# Altium PCB ALCT_MEZ_SPARTAN6T.PcbDoc (part 6 of 12) (continued)
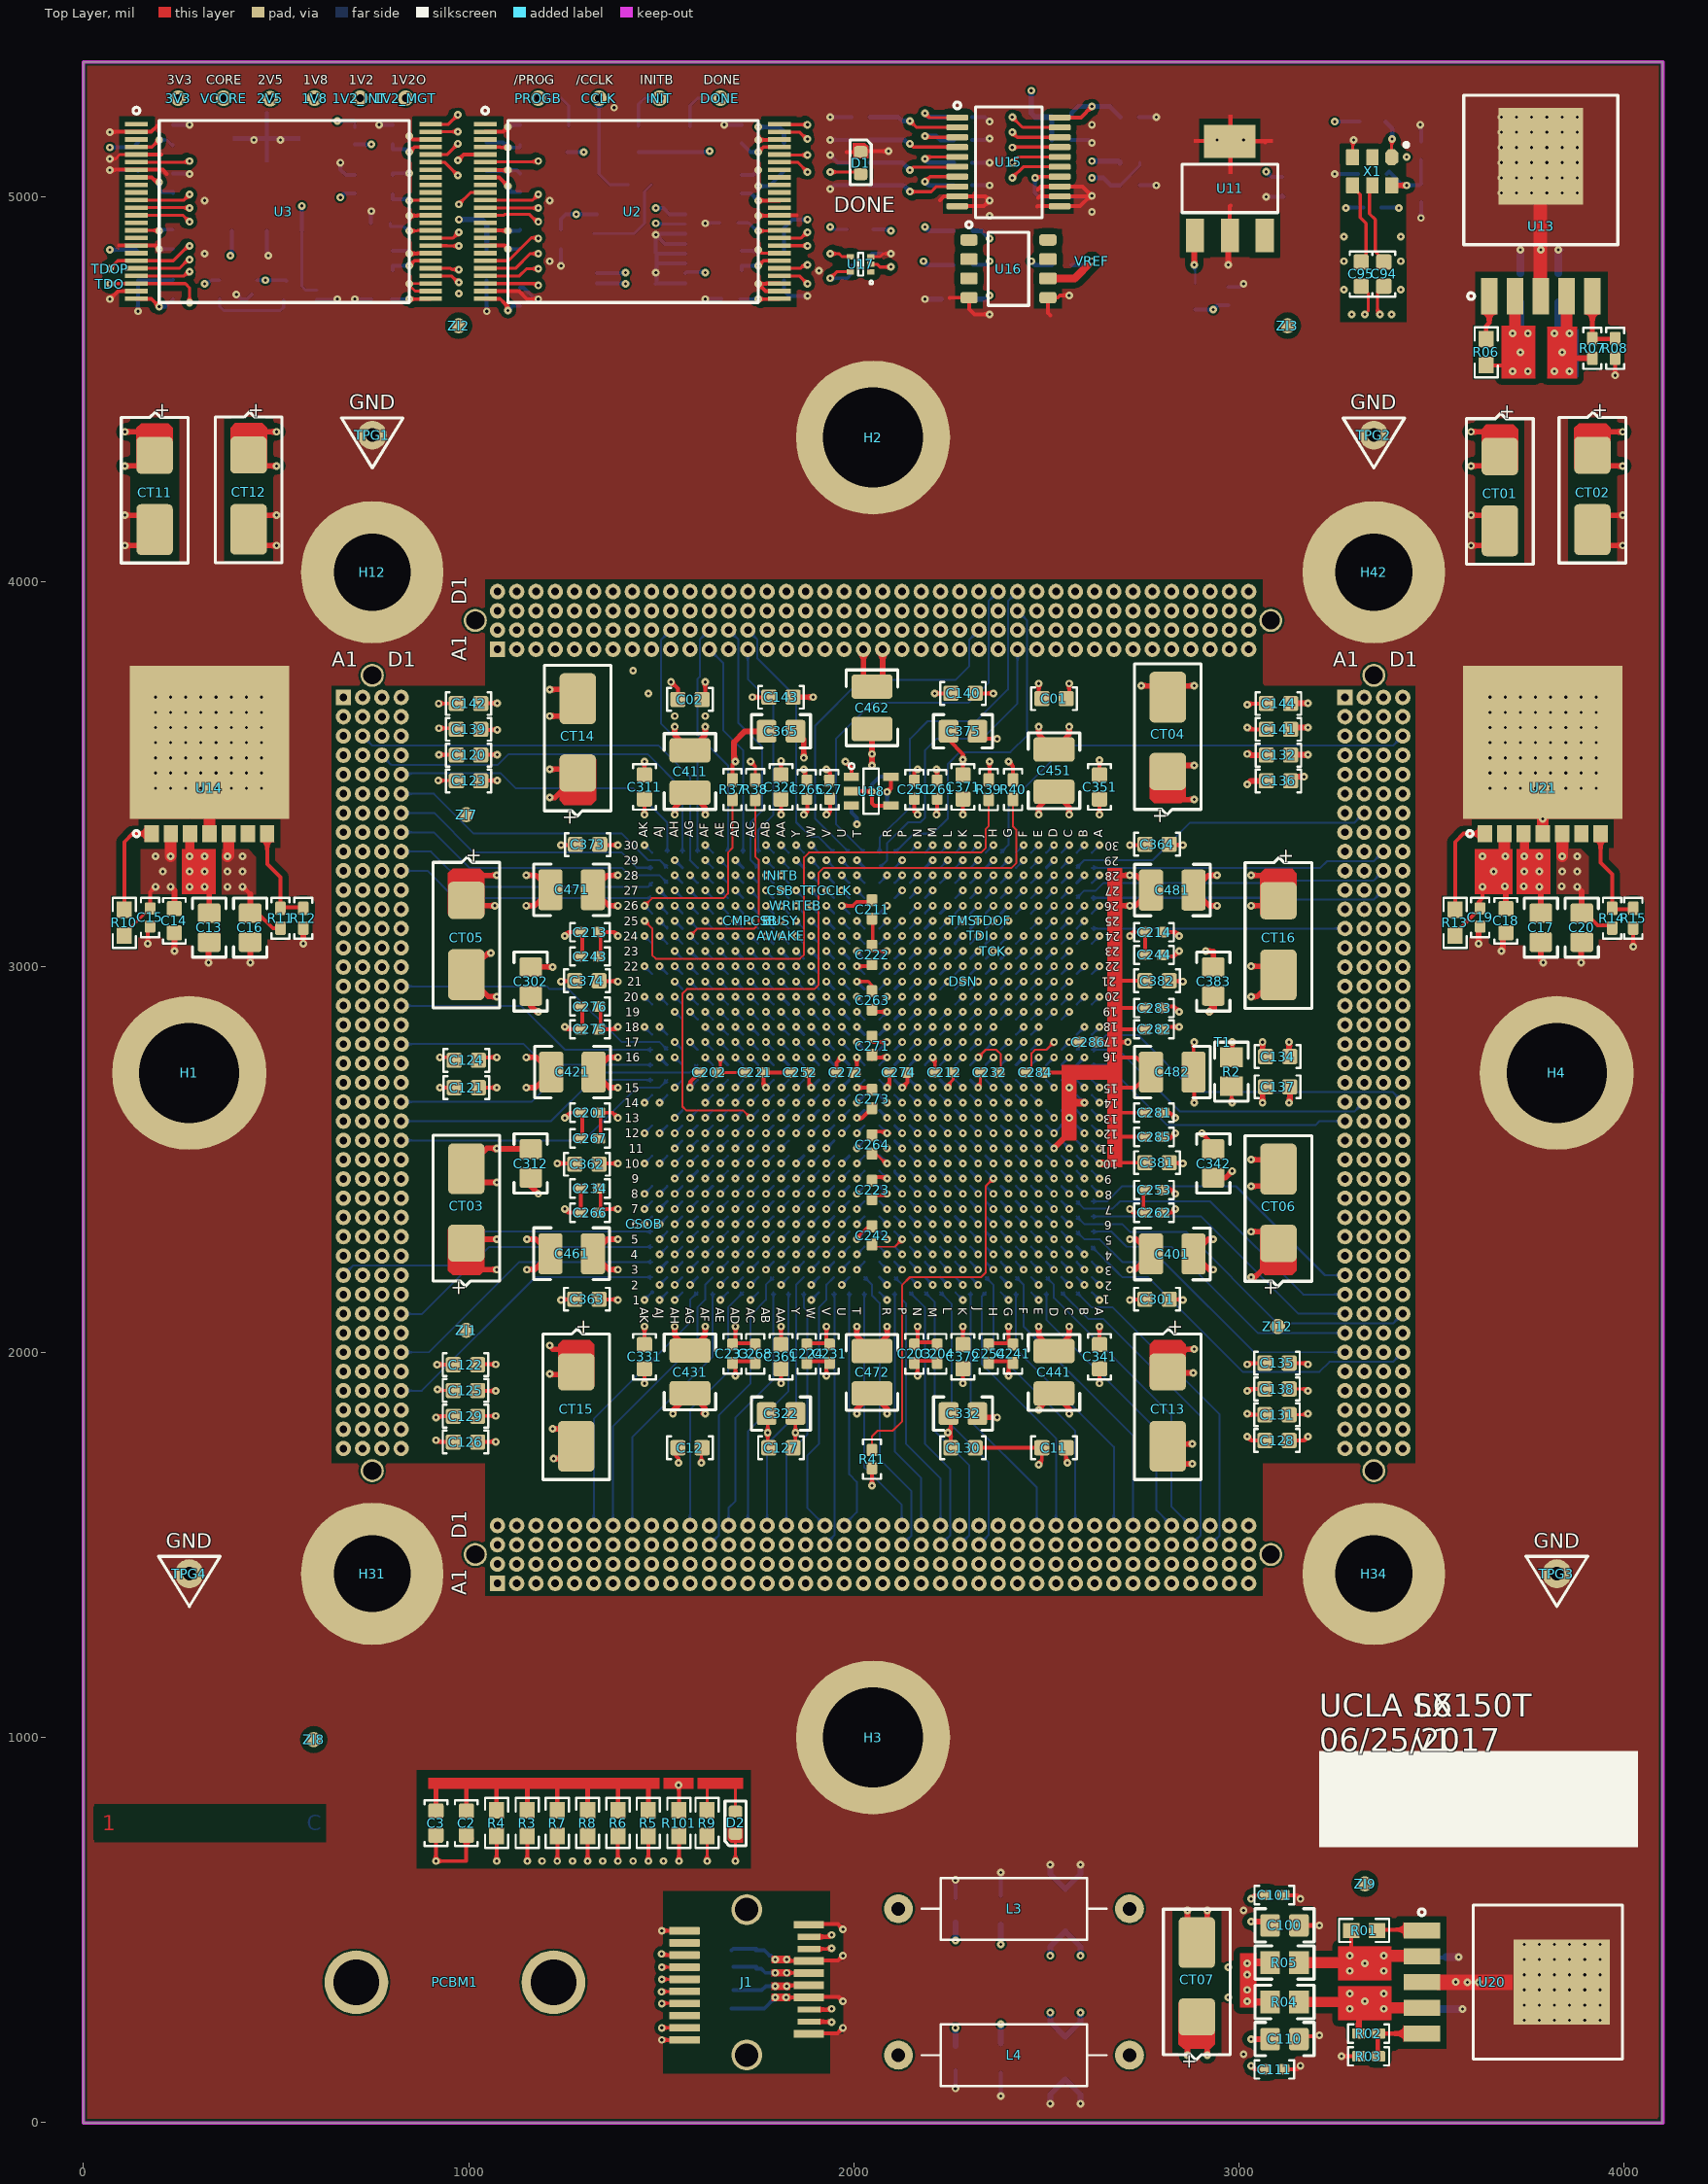
[diagram p0: Top Layer view]
## Nets (pads, with @x,y where several pads share a name; then routed paths per layer and width w, separated by ;. In a path a pad name is that pad's centre, name@x,y a point inside that pad or via, vN(x,y) a via of type N, cw(c..) or ccw(c..) an arc to the next point about the centre after c; other vN are vias at no path point) (continued)
  Bottom Layer w6: v1(1653.56,2372.04) U1.AE7@1673.23,2391.73
XP1C_3: U1.AH24 XP1.C3 | length 1234.2
  Mid-Layer 7 w5: XP1.C3@775,3586.5 cw(c775,3553.91) 798.04,3576.96 ; XP1.C3@775,3591.5 cw(c775,3570.98) 789.51,3585.49 ; XP1.C3@775,3586.5 cw(c775,3553.91) 798.05,3576.95 ; XP1.C3@775,3591.5 cw(c775,3570.98) 789.51,3585.49 ; XP1.C3@775,3595.08 XP1.C3@775,3600 800,3575 826.77,3575 ; XP1.C3@783.5,3600 ccw(c804.02,3600) 789.51,3585.49 ; XP1.C3@783.5,3600 ccw(c804.02,3600) 789.51,3585.49 ; XP1.C3@788.5,3600 ccw(c821.09,3600) 798.04,3576.96 ; XP1.C3@788.5,3600 ccw(c821.09,3600) 798.05,3576.95 ; 826.77,3575.5 857.59,3575.5 954.72,3478.36 954.72,3405.49 1299.02,3061.2 1515.94,3061.2 v1(1535.44,3080.7)
  Bottom Layer w6: v1(1535.44,3080.7) U1.AH24@1555.13,3061.01
XP1C_4: U1.AH30 XP1.C4 | length 1190.5
  Bottom Layer w5: XP1.C4@775,3536.5 cw(c775,3506.75) 796.03,3527.79 ccw(c775,3506.77) XP1.C4@775,3536.5 ; XP1.C4@775,3541.5 cw(c775,3523.82) 787.5,3536.32 ccw(c775,3523.84) XP1.C4@775,3541.5 ; XP1.C4@775,3548.82 798,3525.82 ; XP1.C4@783.49,3549.78 ccw(c804.94,3549.22) 789.77,3534.05 cw(c804.93,3549.21) XP1.C4@783.5,3549.77 ; XP1.C4@788.49,3549.65 ccw(c820.98,3548.8) 798,3525.82 ; XP1.C4@788.5,3549.64 ccw(c820.96,3548.78) 798,3525.82 ; U1.AH30@1550.62,3301.74 ccw(c1539.77,3312.59) 1555.12,3312.59 ccw(c1570.47,3312.59) U1.AH30@1559.61,3301.74 ; U1.AH30@1555.12,3297.24 1555.12,3462.62 1464.77,3552.96 1104.16,3552.96 1076.2,3525 800.82,3525 800,3525.82 798,3525.82
XP1C_5: U1.AG25 XP1.C5 | length 1151.1
  Mid-Layer 1 w5: XP1.C5@775,3486.5 cw(c775,3456.74) 796.04,3477.78 ccw(c775,3456.76) XP1.C5@775,3486.5 ; XP1.C5@775,3491.5 cw(c775,3473.81) 787.5,3486.32 ; XP1.C5@775,3491.5 cw(c775,3473.83) 787.5,3486.33 ; XP1.C5@775,3498.82 798.82,3475 ; XP1.C5@783.5,3499.99 ccw(c806.74,3499.96) 790.3,3483.52 cw(c806.74,3499.94) XP1.C5@783.5,3499.98 ; XP1.C5@788.5,3499.98 ccw(c823.75,3499.93) 798.82,3475 ; XP1.C5@788.5,3499.98 ccw(c823.73,3499.91) 798.82,3475 ; v1(1574.81,3120.06) 1555.29,3139.58 1378.14,3139.58 1062.4,3455.31 895.67,3455.31 875.98,3475 798.82,3475
  Bottom Layer w6: v1(1574.81,3120.06) U1.AG25@1594.49,3100.39
XP1C_6: U1.AF25 XP1.C6 | length 1181
  Mid-Layer 1 w5: XP1.C6@775,3436.5 cw(c775,3406.74) 796.04,3427.78 ccw(c775,3406.76) XP1.C6@775,3436.5 ; XP1.C6@775,3441.5 cw(c775,3423.81) 787.5,3436.32 ; XP1.C6@775,3441.5 cw(c775,3423.83) 787.5,3436.33 ; XP1.C6@775,3448.82 798.82,3425 ; XP1.C6@783.5,3449.99 ccw(c806.74,3449.96) 790.3,3433.52 cw(c806.74,3449.94) XP1.C6@783.5,3449.98 ; XP1.C6@788.5,3449.98 ccw(c823.75,3449.93) 798.82,3425 ; XP1.C6@788.5,3449.98 ccw(c823.73,3449.91) 798.82,3425 ; 1613.46,3110.05 1603.97,3100.56 1358.1,3100.56 1033.66,3425 798.82,3425
  Bottom Layer w6: v1(1614.18,3120.06) U1.AF25@1633.86,3100.39
XP1C_7: U1.AE19 XP1.C7 | length 1443.8
  Mid-Layer 4 w5: XP1.C7@775,3408.5 ccw(c775,3429.02) 789.51,3414.51 ; XP1.C7@775,3413.5 ccw(c775,3446.09) 798.04,3423.04 ccw(c821.09,3400) XP1.C7@788.5,3400 ; XP1.C7@775,3400 800,3425 929.33,3425 1018.53,3335.8 1018.53,3103.53 1218.52,2903.54 1633.86,2903.54 v1(1653.57,2883.84) ; XP1.C7@775,3408.5 ccw(c775,3429.02) 789.51,3414.51 ; XP1.C7@775,3413.5 ccw(c775,3446.09) 798.05,3423.05 ccw(c821.09,3400) XP1.C7@788.5,3400 ; XP1.C7@783.5,3400 cw(c804.02,3400) 789.51,3414.51 ; XP1.C7@783.5,3400 cw(c804.02,3400) 789.51,3414.51
  Bottom Layer w6: v1(1653.57,2883.84) U1.AE19@1673.23,2864.17
XP1C_8: U1.AF24 XP1.C8 | length 1161.9
  Mid-Layer 1 w5: XP1.C8@775,3336.5 cw(c775,3306.74) 796.04,3327.78 ccw(c775,3306.76) XP1.C8@775,3336.5 ; XP1.C8@775,3341.5 cw(c775,3323.81) 787.5,3336.32 ; XP1.C8@775,3341.5 cw(c775,3323.83) 787.5,3336.33 ; XP1.C8@775,3348.82 798.82,3325 ; XP1.C8@783.5,3349.99 ccw(c806.74,3349.96) 790.3,3333.52 cw(c806.74,3349.94) XP1.C8@783.5,3349.98 ; XP1.C8@788.5,3349.98 ccw(c823.75,3349.93) 798.82,3325 ; XP1.C8@788.5,3349.98 ccw(c823.73,3349.91) 798.82,3325 ; v1@1614.29,3083.19 1592.29,3061.2 1299.02,3061.2 1035.22,3325 798.82,3325
  Bottom Layer w6: v1(1614.18,3080.7) U1.AF24@1633.86,3061.01
XP1C_9: U1.AF23 XP1.C9 | length 1157.5
  Mid-Layer 1 w5: XP1.C9@775,3286.5 cw(c775,3256.74) 796.04,3277.78 ccw(c775,3256.76) XP1.C9@775,3286.5 ; XP1.C9@775,3291.5 cw(c775,3273.81) 787.5,3286.32 ; XP1.C9@775,3291.5 cw(c775,3273.83) 787.5,3286.33 ; XP1.C9@775,3298.82 798.82,3275 ; XP1.C9@783.5,3299.99 ccw(c806.74,3299.96) 790.3,3283.52 cw(c806.74,3299.94) XP1.C9@783.5,3299.98 ; XP1.C9@788.5,3299.98 ccw(c823.75,3299.93) 798.82,3275 ; XP1.C9@788.5,3299.98 ccw(c823.73,3299.91) 798.82,3275 ; v1@1614.29,3043.83 1592.29,3021.83 1239.98,3021.83 986.81,3275 798.82,3275
  Bottom Layer w6: v1(1614.18,3041.33) U1.AF23@1633.86,3021.65
XP1C_10: U1.AE23 XP1.C10 | length 1159.7
  Mid-Layer 5 w5: XP1.C10@775,3236.5 cw(c775,3203.91) 798.04,3226.96 ; XP1.C10@775,3241.5 cw(c775,3220.98) 789.51,3235.49 ; XP1.C10@775,3236.5 cw(c775,3203.91) 798.05,3226.95 ; XP1.C10@775,3241.5 cw(c775,3220.98) 789.51,3235.49 ; XP1.C10@775,3250 800,3225 1054.03,3225 1218.01,3061.02 1633.87,3061.02 v1(1653.56,3041.33) ; XP1.C10@783.5,3250 ccw(c804.02,3250) 789.51,3235.49 ; XP1.C10@783.5,3250 ccw(c804.02,3250) 789.51,3235.49 ; XP1.C10@788.5,3250 ccw(c821.09,3250) 798.04,3226.96 ; XP1.C10@788.5,3250 ccw(c821.09,3250) 798.05,3226.95
  Bottom Layer w6: v1(1653.56,3041.33) U1.AE23@1673.23,3021.65
XP1C_11: U1.AE18 XP1.C11 | length 1220.5
  Mid-Layer 4 w5: XP1.C11@775,3186.5 cw(c775,3153.91) 798.04,3176.96 ; XP1.C11@775,3191.5 cw(c775,3170.98) 789.51,3185.49 ; XP1.C11@775,3186.5 cw(c775,3153.91) 798.05,3176.95 ; XP1.C11@775,3191.5 cw(c775,3170.98) 789.51,3185.49 ; XP1.C11@775,3200 800,3175 856.36,3175 1167.02,2864.34 1633.7,2864.34 v1(1653.56,2844.48) ; XP1.C11@783.5,3200 ccw(c804.02,3200) 789.51,3185.49 ; XP1.C11@783.5,3200 ccw(c804.02,3200) 789.51,3185.49 ; XP1.C11@788.5,3200 ccw(c821.09,3200) 798.04,3176.96 ; XP1.C11@788.5,3200 ccw(c821.09,3200) 798.05,3176.95
  Bottom Layer w6: v1(1653.56,2844.48) U1.AE18@1673.23,2824.8
XP1C_12: U1.AE20 XP1.C12 | length 1182.6
  Mid-Layer 1 w5: XP1.C12@775,3136.5 cw(c775,3106.74) 796.04,3127.78 ccw(c775,3106.76) XP1.C12@775,3136.5 ; XP1.C12@775,3141.5 cw(c775,3123.81) 787.5,3136.32 ; XP1.C12@775,3141.5 cw(c775,3123.83) 787.5,3136.33 ; XP1.C12@775,3148.82 798.82,3125 ; XP1.C12@783.5,3149.99 ccw(c806.74,3149.96) 790.3,3133.52 cw(c806.74,3149.94) XP1.C12@783.5,3149.98 ; XP1.C12@788.5,3149.98 ccw(c823.75,3149.93) 798.82,3125 ; XP1.C12@788.5,3149.98 ccw(c823.73,3149.91) 798.82,3125 ; v1(1653.57,2923.19) 1634.07,2903.69 1131.75,2903.69 910.43,3125 798.82,3125
  Bottom Layer w6: v1(1653.57,2923.19) U1.AE20@1673.24,2903.51
XP1C_13: U1.AD17 XP1.C13 | length 1255.5
  Mid-Layer 4 w5: XP1.C13@775,3108.5 ccw(c775,3129.02) 789.51,3114.51 ; XP1.C13@775,3113.5 ccw(c775,3146.09) 798.04,3123.04 ccw(c821.09,3100) XP1.C13@788.5,3100 ; XP1.C13@775,3100 800,3125 839.57,3125 1139.59,2824.98 1673.06,2824.98 v1(1692.93,2805.11) ; XP1.C13@775,3108.5 ccw(c775,3129.02) 789.51,3114.51 ; XP1.C13@775,3113.5 ccw(c775,3146.09) 798.05,3123.05 ccw(c821.09,3100) XP1.C13@788.5,3100 ; XP1.C13@783.5,3100 cw(c804.02,3100) 789.51,3114.51 ; XP1.C13@783.5,3100 cw(c804.02,3100) 789.51,3114.51
  Bottom Layer w6: v1(1692.93,2805.11) U1.AD17@1712.6,2785.43
XP1C_14: U1.AF17 XP1.C14 | length 1134.5
  Mid-Layer 1 w5: XP1.C14@775,3036.5 cw(c775,3006.74) 796.04,3027.78 ccw(c775,3006.76) XP1.C14@775,3036.5 ; XP1.C14@775,3041.5 cw(c775,3023.81) 787.5,3036.32 ; XP1.C14@775,3041.5 cw(c775,3023.83) 787.5,3036.33 ; XP1.C14@775,3048.82 798.82,3025 ; XP1.C14@783.5,3049.99 ccw(c806.74,3049.96) 790.3,3033.52 cw(c806.74,3049.94) XP1.C14@783.5,3049.98 ; XP1.C14@788.5,3049.98 ccw(c823.75,3049.93) 798.82,3025 ; XP1.C14@788.5,3049.98 ccw(c823.73,3049.91) 798.82,3025 ; v1(1614.18,2805.11) 1594.68,2824.61 1092.71,2824.61 892.32,3025 798.82,3025
  Bottom Layer w6: v1(1614.18,2805.11) U1.AF17@1633.86,2785.43
XP1C_15: U1.AF16 XP1.C15 | length 1146.6
  Mid-Layer 1 w5: XP1.C15@775,2986.5 cw(c775,2956.75) 796.03,2977.79 ccw(c775,2956.77) XP1.C15@775,2986.5 ; XP1.C15@775,2991.5 cw(c775,2973.82) 787.5,2986.32 ccw(c775,2973.84) XP1.C15@775,2991.5 ; XP1.C15@775,2998.82 798.82,2975 ; XP1.C15@783.5,2999.99 ccw(c806.73,2999.95) 790.3,2983.52 cw(c806.73,2999.94) XP1.C15@783.5,2999.98 ; XP1.C15@788.5,2999.98 ccw(c823.74,2999.92) 798.82,2975 ; XP1.C15@788.5,2999.97 ccw(c823.72,2999.9) 798.82,2975 ; v1(1614.18,2765.75) 1594.68,2746.25 1064.76,2746.25 1053.33,2757.67 1053.33,2758.38 836.71,2975 798.82,2975
  Bottom Layer w6: v1(1614.18,2765.75) U1.AF16@1633.86,2746.06
XP1C_16: U1.AD16 XP1.C16 | length 1238
  Mid-Layer 1 w5: XP1.C16@775,2936.5 cw(c775,2906.74) 796.04,2927.78 ccw(c775,2906.76) XP1.C16@775,2936.5 ; XP1.C16@775,2941.5 cw(c775,2923.81) 787.5,2936.32 ; XP1.C16@775,2941.5 cw(c775,2923.83) 787.5,2936.33 ; XP1.C16@775,2948.82 798.82,2925 ; XP1.C16@783.5,2949.99 ccw(c806.74,2949.96) 790.3,2933.52 cw(c806.74,2949.94) XP1.C16@783.5,2949.98 ; XP1.C16@788.5,2949.98 ccw(c823.75,2949.93) 798.82,2925 ; XP1.C16@788.5,2949.98 ccw(c823.73,2949.91) 798.82,2925 ; v1(1692.93,2765.75) 1692.93,2736.23 1683.07,2726.38 1033.46,2726.38 834.84,2925 798.82,2925
  Bottom Layer w6: v1(1692.93,2765.75) U1.AD16@1712.6,2746.06
XP1C_17: U1.AC16 XP1.C17 | length 1273
  Mid-Layer 1 w5: XP1.C17@775,2886.5 cw(c775,2856.74) 796.04,2877.78 ccw(c775,2856.76) XP1.C17@775,2886.5 ; XP1.C17@775,2891.5 cw(c775,2873.81) 787.5,2886.32 ; XP1.C17@775,2891.5 cw(c775,2873.83) 787.5,2886.33 ; XP1.C17@775,2898.82 798.82,2875 ; XP1.C17@783.5,2899.99 ccw(c806.74,2899.96) 790.3,2883.52 cw(c806.74,2899.94) XP1.C17@783.5,2899.98 ; XP1.C17@788.5,2899.98 ccw(c823.75,2899.93) 798.82,2875 ; XP1.C17@788.5,2899.98 ccw(c823.73,2899.91) 798.82,2875 ; v1(1732.29,2765.75) 1732.29,2736.23 1702.76,2706.69 1013.78,2706.69 845.47,2875 798.82,2875
  Bottom Layer w6: v1(1732.29,2765.75) U1.AC16@1751.98,2746.06
XP1C_18: U1.AF15 XP1.C18 | length 1117.5
  Mid-Layer 1 w5: XP1.C18@775,2836.5 cw(c775,2803.91) 798.04,2826.96 ; XP1.C18@775,2841.5 cw(c775,2820.98) 789.51,2835.49 ; XP1.C18@775,2836.5 cw(c775,2803.91) 798.05,2826.95 ; XP1.C18@775,2841.5 cw(c775,2820.98) 789.51,2835.49 ; XP1.C18@775,2850 800,2825 805.71,2825 836.42,2825 993.92,2667.49 1594.68,2667.49 v1(1614.18,2686.99) ; XP1.C18@783.5,2850 ccw(c804.02,2850) 789.51,2835.49 ; XP1.C18@783.5,2850 ccw(c804.02,2850) 789.51,2835.49 ; XP1.C18@788.5,2850 ccw(c821.09,2850) 798.04,2826.96 ; XP1.C18@788.5,2850 ccw(c821.09,2850) 798.05,2826.95
  Bottom Layer w6: v1(1614.18,2686.99) U1.AF15@1633.86,2706.69
XP1C_19: U1.AE15 XP1.C19 | length 1120.1
  Mid-Layer 4 w5: XP1.C19@775,2786.5 cw(c775,2753.91) 798.04,2776.96 ; XP1.C19@775,2791.5 cw(c775,2770.98) 789.51,2785.49 ; XP1.C19@775,2786.5 cw(c775,2753.91) 798.05,2776.95 ; XP1.C19@775,2791.5 cw(c775,2770.98) 789.51,2785.49 ; XP1.C19@775,2800 800,2775 866.73,2775 925.2,2716.54 1624.02,2716.54 v1(1653.56,2686.99) ; XP1.C19@783.5,2800 ccw(c804.02,2800) 789.51,2785.49 ; XP1.C19@783.5,2800 ccw(c804.02,2800) 789.51,2785.49 ; XP1.C19@788.5,2800 ccw(c821.09,2800) 798.04,2776.96 ; XP1.C19@788.5,2800 ccw(c821.09,2800) 798.05,2776.95
  Bottom Layer w6: v1(1653.56,2686.99) U1.AE15@1673.23,2706.69
XP1C_22: U1.Y14 XP1.C22 | length 1291.8
  Mid-Layer 7 w5: XP1.C22@775,2658.5 ccw(c775,2679.02) 789.51,2664.51 ; XP1.C22@775,2663.5 ccw(c775,2696.09) 798.04,2673.04 ccw(c821.09,2650) XP1.C22@788.5,2650 ; XP1.C22@775,2650 800,2675 881.4,2675 889.08,2667.32 1830.7,2667.32 v1(1850.39,2647.63) ; XP1.C22@775,2658.5 ccw(c775,2679.02) 789.51,2664.51 ; XP1.C22@775,2663.5 ccw(c775,2696.09) 798.05,2673.05 ccw(c821.09,2650) XP1.C22@788.5,2650 ; XP1.C22@783.5,2650 cw(c804.02,2650) 789.51,2664.51 ; XP1.C22@783.5,2650 cw(c804.02,2650) 789.51,2664.51
  Bottom Layer w6: v1(1850.39,2647.63) U1.Y14@1870.08,2667.31
XP1C_23: U1.AA14 XP1.C23 | length 1266.8
  Mid-Layer 4 w5: XP1.C23@775,2608.5 ccw(c775,2629.02) 789.51,2614.51 ; XP1.C23@775,2613.5 ccw(c775,2646.09) 798.04,2623.04 ccw(c821.09,2600) XP1.C23@788.5,2600 ; XP1.C23@775,2600 800,2625 902.56,2625 944.88,2667.32 1791.34,2667.32 v1(1811.02,2647.64) ; XP1.C23@775,2608.5 ccw(c775,2629.02) 789.51,2614.51 ; XP1.C23@775,2613.5 ccw(c775,2646.09) 798.05,2623.05 ccw(c821.09,2600) XP1.C23@788.5,2600 ; XP1.C23@783.5,2600 cw(c804.02,2600) 789.51,2614.51 ; XP1.C23@783.5,2600 cw(c804.02,2600) 789.51,2614.51
  Bottom Layer w6: v1(1811.02,2647.64) U1.AA14@1830.71,2667.32
XP1C_24: U1.AE13 XP1.C24 | length 1114.5
  Mid-Layer 1 w5: XP1.C24@775,2558.5 ccw(c775,2579.02) 789.51,2564.51 ; XP1.C24@775,2563.5 ccw(c775,2596.09) 798.04,2573.04 ccw(c821.09,2550) XP1.C24@788.5,2550 ; XP1.C24@775,2548.82 XP1.C24@775.59,2549.41 ; XP1.C24@775,2550 800,2575 852.56,2575 905.51,2627.95 1633.87,2627.95 v1(1653.56,2608.26) ; XP1.C24@775,2558.5 ccw(c775,2579.02) 789.51,2564.51 ; XP1.C24@775,2563.5 ccw(c775,2596.09) 798.05,2573.05 ccw(c821.09,2550) XP1.C24@788.5,2550 ; XP1.C24@783.5,2550 cw(c804.02,2550) 789.51,2564.51 ; XP1.C24@783.5,2550 cw(c804.02,2550) 789.51,2564.51
  Bottom Layer w6: v1(1653.56,2608.26) U1.AE13@1673.23,2627.95
XP1C_25: U1.AE12 XP1.C25 | length 1117.9
  Mid-Layer 1 w5: XP1.C25@775,2508.5 ccw(c775,2529.02) 789.51,2514.51 ; XP1.C25@775,2513.5 ccw(c775,2546.09) 798.04,2523.04 ccw(c821.09,2500) XP1.C25@788.5,2500 ; XP1.C25@775,2500 800.5,2525.5 852.27,2525.5 915.17,2588.39 1622.25,2588.39 1641.75,2568.89 v1(1653.56,2568.89) ; XP1.C25@775,2508.5 ccw(c775,2529.02) 789.51,2514.51 ; XP1.C25@775,2513.5 ccw(c775,2546.09) 798.05,2523.05 ccw(c821.09,2500) XP1.C25@788.5,2500 ; XP1.C25@783.5,2500 cw(c804.02,2500) 789.51,2514.51 ; XP1.C25@783.5,2500 cw(c804.02,2500) 789.51,2514.51
  Bottom Layer w6: v1(1653.56,2568.89) U1.AE12@1673.23,2588.58
XP1C_26: U1.W11 XP1.C26 | length 1358.6
  Mid-Layer 1 w5: XP1.C26@775,2458.5 ccw(c775,2479.02) 789.51,2464.51 ; XP1.C26@775,2463.5 ccw(c775,2496.09) 798.04,2473.04 ccw(c821.09,2450) XP1.C26@788.5,2450 ; XP1.C26@775,2450 800.5,2475.5 856.41,2475.5 929.93,2549.03 1870.28,2549.03 v1(1889.78,2529.53) ; XP1.C26@775,2458.5 ccw(c775,2479.02) 789.51,2464.51 ; XP1.C26@775,2463.5 ccw(c775,2496.09) 798.05,2473.05 ccw(c821.09,2450) XP1.C26@788.5,2450 ; XP1.C26@783.5,2450 cw(c804.02,2450) 789.51,2464.51 ; XP1.C26@783.5,2450 cw(c804.02,2450) 789.51,2464.51
  Bottom Layer w6: v1(1889.78,2529.53) U1.W11@1909.45,2549.21
XP1C_27: U1.AB11 XP1.C27 | length 1231.8
  Mid-Layer 4 w5: XP1.C27@775,2386.5 cw(c775,2367.68) 788.3,2380.99 ; XP1.C27@775,2386.5 cw(c775,2367.7) 788.3,2380.99 ; XP1.C27@775,2400 775,2394.29 794.29,2375 ; v1(1771.66,2529.53) 1751.97,2549.21 1141.73,2549.21 967.52,2375 794.29,2375 ; 794.29,2375 cw(c810.71,2391.42) 788.13,2396.85 ccw(c810.72,2391.43) 794.29,2375 ; XP1.C27@783.27,2398.01 ccw(c800.53,2393.87) 787.98,2381.31 cw(c800.53,2393.88) XP1.C27@783.26,2398.02
  Bottom Layer w6: v1(1771.66,2529.53) U1.AB11@1791.34,2549.21
XP1C_28: U1.AG8 XP1.C28 | length 1054.7
  Mid-Layer 1 w5: XP1.C28@775,2336.5 cw(c775,2303.91) 798.04,2326.96 ; XP1.C28@775,2341.5 cw(c775,2320.98) 789.51,2335.49 ; XP1.C28@775,2336.5 cw(c775,2303.91) 798.05,2326.95 ; XP1.C28@775,2341.5 cw(c775,2320.98) 789.51,2335.49 ; XP1.C28@775,2350 799.5,2325.5 836.61,2325.5 854.04,2308.07 925.2,2308.07 1008.67,2391.55 1554.95,2391.55 v1(1574.81,2411.41) ; XP1.C28@783.5,2350 ccw(c804.02,2350) 789.51,2335.49 ; XP1.C28@783.5,2350 ccw(c804.02,2350) 789.51,2335.49 ; XP1.C28@788.5,2350 ccw(c821.09,2350) 798.04,2326.96 ; XP1.C28@788.5,2350 ccw(c821.09,2350) 798.05,2326.95
  Bottom Layer w6: v1(1574.81,2411.41) U1.AG8@1594.49,2431.1
XP1C_29: U1.AF7 XP1.C29 | length 1084.4
  Mid-Layer 1 w5: XP1.C29@775,2286.5 cw(c775,2253.91) 798.04,2276.96 ; XP1.C29@775,2291.5 cw(c775,2270.98) 789.51,2285.49 ; XP1.C29@775,2286.5 cw(c775,2253.91) 798.05,2276.95 ; XP1.C29@775,2291.5 cw(c775,2270.98) 789.51,2285.49 ; XP1.C29@775,2300 800,2275 956.1,2275 1033.65,2352.54 1594.68,2352.54 v1(1614.18,2372.04) ; XP1.C29@783.5,2300 ccw(c804.02,2300) 789.51,2285.49 ; XP1.C29@783.5,2300 ccw(c804.02,2300) 789.51,2285.49 ; XP1.C29@788.5,2300 ccw(c821.09,2300) 798.04,2276.96 ; XP1.C29@788.5,2300 ccw(c821.09,2300) 798.05,2276.95
  Bottom Layer w6: v1(1614.18,2372.04) U1.AF7@1633.86,2391.73
XP1C_30: U1.AG6 XP1.C30 | length 1049.5
  Mid-Layer 1 w5: XP1.C30@775,2236.5 cw(c775,2203.91) 798.04,2226.96 ; XP1.C30@775,2241.5 cw(c775,2220.98) 789.51,2235.49 ; XP1.C30@775,2236.5 cw(c775,2203.91) 798.05,2226.95 ; XP1.C30@775,2241.5 cw(c775,2220.98) 789.51,2235.49 ; XP1.C30@775,2250 800,2225 955.31,2225 1043.49,2313.18 1555.31,2313.18 v1(1574.81,2332.68) ; XP1.C30@783.5,2250 ccw(c804.02,2250) 789.51,2235.49 ; XP1.C30@783.5,2250 ccw(c804.02,2250) 789.51,2235.49 ; XP1.C30@788.5,2250 ccw(c821.09,2250) 798.04,2226.96 ; XP1.C30@788.5,2250 ccw(c821.09,2250) 798.05,2226.95
  Bottom Layer w6: v1(1574.81,2332.68) U1.AG6@1594.49,2352.36
XP1C_31: U1.AG5 XP1.C31 | length 1086.1
  Mid-Layer 1 w5: XP1.C31@775,2186.5 cw(c775,2153.91) 798.04,2176.96 ; XP1.C31@775,2191.5 cw(c775,2170.98) 789.51,2185.49 ; XP1.C31@775,2186.5 cw(c775,2153.91) 798.05,2176.95 ; XP1.C31@775,2191.5 cw(c775,2170.98) 789.51,2185.49 ; XP1.C31@775,2200 799.5,2175.5 834.15,2175.5 854.14,2155.51 986.2,2155.51 1065.13,2234.44 1543.51,2234.44 1554.93,2245.86 1554.93,2273.42 v1(1574.81,2293.29) ; XP1.C31@783.5,2200 ccw(c804.02,2200) 789.51,2185.49 ; XP1.C31@783.5,2200 ccw(c804.02,2200) 789.51,2185.49 ; XP1.C31@788.5,2200 ccw(c821.09,2200) 798.04,2176.96 ; XP1.C31@788.5,2200 ccw(c821.09,2200) 798.05,2176.95
  Bottom Layer w6: v1(1574.81,2293.29) U1.AG5@1594.49,2312.99
XP1C_32: U1.AH3 XP1.C32 | length 1002.6
  Mid-Layer 1 w5: XP1.C32@775,2136.5 cw(c775,2103.91) 798.04,2126.96 ; XP1.C32@775,2141.5 cw(c775,2120.98) 789.51,2135.49 ; XP1.C32@775,2136.5 cw(c775,2103.91) 798.05,2126.95 ; XP1.C32@775,2141.5 cw(c775,2120.98) 789.51,2135.49 ; XP1.C32@775,2150 800,2125 1022.64,2125 1092.52,2194.88 1515.76,2194.88 v1(1535.44,2214.56) ; XP1.C32@783.5,2150 ccw(c804.02,2150) 789.51,2135.49 ; XP1.C32@783.5,2150 ccw(c804.02,2150) 789.51,2135.49 ; XP1.C32@788.5,2150 ccw(c821.09,2150) 798.04,2126.96 ; XP1.C32@788.5,2150 ccw(c821.09,2150) 798.05,2126.95
  Bottom Layer w6: v1(1535.44,2214.56) U1.AH3@1555.12,2234.25
XP1C_33: U1.AH2 XP1.C33 | length 1007
  Mid-Layer 1 w5: XP1.C33@775,2086.5 cw(c775,2053.91) 798.04,2076.96 ; XP1.C33@775,2091.5 cw(c775,2070.98) 789.51,2085.49 ; XP1.C33@775,2086.5 cw(c775,2053.91) 798.05,2076.95 ; XP1.C33@775,2091.5 cw(c775,2070.98) 789.51,2085.49 ; XP1.C33@775,2100 800,2075 1021.85,2075 1102.36,2155.51 1515.76,2155.51 v1@1536.12,2175.87 ; XP1.C33@783.5,2100 ccw(c804.02,2100) 789.51,2085.49 ; XP1.C33@783.5,2100 ccw(c804.02,2100) 789.51,2085.49 ; XP1.C33@788.5,2100 ccw(c821.09,2100) 798.04,2076.96 ; XP1.C33@788.5,2100 ccw(c821.09,2100) 798.05,2076.95
  Bottom Layer w6: v1@1536.12,2175.87 U1.AH2@1555.12,2194.88
  other v1: 1535.43,2175.2
XP1C_34: U1.AF4 XP1.C34 | length 1154.8
  Mid-Layer 7 w5: XP1.C34@775,2036.5 cw(c775,2003.91) 798.04,2026.96 ; XP1.C34@775,2041.5 cw(c775,2020.98) 789.51,2035.49 ; XP1.C34@775,2036.5 cw(c775,2003.91) 798.05,2026.95 ; XP1.C34@775,2041.5 cw(c775,2020.98) 789.51,2035.49 ; XP1.C34@775,2050 799.5,2025.5 1159.36,2025.5 1328.92,2195.06 1582.89,2195.06 1594.31,2206.48 1594.31,2234.06 v1(1614.18,2253.93) ; XP1.C34@783.5,2050 ccw(c804.02,2050) 789.51,2035.49 ; XP1.C34@783.5,2050 ccw(c804.02,2050) 789.51,2035.49 ; XP1.C34@788.5,2050 ccw(c821.09,2050) 798.04,2026.96 ; XP1.C34@788.5,2050 ccw(c821.09,2050) 798.05,2026.95
  Bottom Layer w6: v1(1614.18,2253.93) U1.AF4@1633.86,2273.61
XP1C_35: U1.AH6 XP1.C35 | length 1109.2
  Mid-Layer 4 w5: XP1.C35@775,2008.5 ccw(c775,2029.02) 789.51,2014.51 ; XP1.C35@775,2013.5 ccw(c775,2046.09) 798.04,2023.04 ccw(c821.09,2000) XP1.C35@788.5,2000 ; XP1.C35@775,2000 800,2025 1080.12,2025 1407.48,2352.36 1515.76,2352.36 v1(1535.44,2332.68) ; XP1.C35@775,2008.5 ccw(c775,2029.02) 789.51,2014.51 ; XP1.C35@775,2013.5 ccw(c775,2046.09) 798.05,2023.05 ccw(c821.09,2000) XP1.C35@788.5,2000 ; XP1.C35@783.5,2000 cw(c804.02,2000) 789.51,2014.51 ; XP1.C35@783.5,2000 cw(c804.02,2000) 789.51,2014.51
  Bottom Layer w6: v1(1535.44,2332.68) U1.AH6@1555.12,2352.36
XP1C_36: U1.AE4 XP1.C36 | length 1243.3
  Mid-Layer 1 w5: XP1.C36@775,1936.5 cw(c775,1906.74) 796.04,1927.78 ccw(c775,1906.76) XP1.C36@775,1936.5 ; XP1.C36@775,1941.5 cw(c775,1923.81) 787.5,1936.32 ; XP1.C36@775,1941.5 cw(c775,1923.83) 787.5,1936.33 ; XP1.C36@775,1950 775,1948.82 798.82,1925 ; XP1.C36@783.5,1949.99 ccw(c806.74,1949.96) 790.3,1933.52 cw(c806.74,1949.94) XP1.C36@783.5,1949.98 ; XP1.C36@788.5,1949.98 ccw(c823.75,1949.93) 798.82,1925 ; XP1.C36@788.5,1949.98 ccw(c823.73,1949.91) 798.82,1925 ; v1(1653.56,2253.93) 1633.68,2234.04 1633.68,2194.7 1555.12,2116.14 1122.05,2116.14 930.91,1925 798.82,1925
  Bottom Layer w6: v1(1653.56,2253.93) U1.AE4@1673.24,2273.61
XP1C_37: U1.AJ2 XP1.C37 | length 1029.7
  Mid-Layer 7 w5: XP1.C37@775,1908.5 ccw(c775,1929.02) 789.51,1914.51 ; XP1.C37@775,1913.5 ccw(c775,1946.09) 798.04,1923.04 ccw(c821.09,1900) XP1.C37@788.5,1900 ; XP1.C37@775,1900 800.5,1925.5 903.86,1925.5 966.37,1988 1212.4,1988 1399.59,2175.2 v1(1496.06,2175.2) ; XP1.C37@775,1908.5 ccw(c775,1929.02) 789.51,1914.51 ; XP1.C37@775,1913.5 ccw(c775,1946.09) 798.05,1923.05 ccw(c821.09,1900) XP1.C37@788.5,1900 ; XP1.C37@783.5,1900 cw(c804.02,1900) 789.51,1914.51 ; XP1.C37@783.5,1900 cw(c804.02,1900) 789.51,1914.51
  Bottom Layer w6: v1(1496.06,2175.2) U1.AJ2@1515.75,2194.88
XP1C_38: U1.AH1 XP1.C38 | length 1073.5
  Mid-Layer 4 w5: XP1.C38@775,1858.5 ccw(c775,1879.02) 789.51,1864.51 ; XP1.C38@775,1863.5 ccw(c775,1896.09) 798.04,1873.04 ccw(c821.09,1850) XP1.C38@788.5,1850 ; XP1.C38@775,1850 800,1875 1186.02,1875 1417.32,2106.3 1505.91,2106.3 v1(1535.43,2135.83) ; XP1.C38@775,1858.5 ccw(c775,1879.02) 789.51,1864.51 ; XP1.C38@775,1863.5 ccw(c775,1896.09) 798.05,1873.05 ccw(c821.09,1850) XP1.C38@788.5,1850 ; XP1.C38@783.5,1850 cw(c804.02,1850) 789.51,1864.51 ; XP1.C38@783.5,1850 cw(c804.02,1850) 789.51,1864.51
  Bottom Layer w5: v1(1535.43,2135.83) U1.AH1@1555.12,2155.51
XP1D_3: U1.AE25 XP1.D3 | length 1358.4
  Mid-Layer 7 w5: XP1.D3@825,3600 883.47,3600 885.83,3597.64 1067.71,3597.64 1068.21,3597.14 ; XP1.D3@834.54,3590.45 cw(c857.59,3567.41) 857.59,3600 ; XP1.D3@834.54,3609.55 ccw(c857.59,3632.59) 857.59,3600 ; XP1.D3@834.55,3590.45 cw(c857.6,3567.41) 857.6,3600 ; XP1.D3@834.55,3609.55 ccw(c857.6,3632.59) 857.6,3600 ; 1082.68,3582.68 1068.21,3597.14 ; v1(1653.56,3120.06) 1633.85,3139.77 1330.11,3139.77 1329.43,3139.08 1122.05,3346.46 1122.05,3543.31 1068.21,3597.14 ; 845.52,3600 cw(c845.52,3620.52) 831.01,3606.01 ccw(c845.52,3620.52) 845.52,3600 ; 845.52,3600 ccw(c845.52,3579.48) 831.01,3593.99 cw(c845.52,3579.48) 845.52,3600
  Bottom Layer w6: v1(1653.56,3120.06) U1.AE25@1673.23,3100.39
XP1D_4: U1.Y24 XP1.D4 | length 1621
  Mid-Layer 5 w5: XP1.D4@825,3550 845.68,3570.68 ; v1(1850.39,3080.7) 1850.39,3083.21 1869.9,3102.72 1869.9,3206.88 1858.28,3218.5 1685.04,3218.5 1673.23,3230.32 1673.23,3425.2 1633.86,3464.57 1306.59,3464.57 1200.48,3570.68 845.68,3570.68 ; 838.02,3563.02 ccw(c849.12,3551.93) 833.48,3550.68 cw(c849.12,3551.92) 838.02,3563.02 ; 838.02,3563.02 cw(c826.92,3574.12) 825.68,3558.47 ccw(c826.92,3574.12) 838.02,3563.02 ; 845.68,3570.68 ccw(c863.31,3553.06) 838.46,3551.07 cw(c863.31,3553.05) 845.68,3570.68 ; 845.68,3570.68 cw(c828.05,3588.3) 826.08,3563.46 ccw(c828.05,3588.32) 845.68,3570.68
  Bottom Layer w6: v1(1850.39,3080.7) U1.Y24@1870.06,3061.02
XP1D_5: U1.AJ30 XP1.D5 | length 1038.4
  Bottom Layer w5: XP1.D5@825,3500 825,3503.75 1082.88,3503.75 1122.07,3464.57 1427.17,3464.57 1515.76,3375.97 U1.AJ30@1515.75,3297.24 ; XP1.D5@834.54,3490.45 cw(c866.65,3458.35) 866.65,3503.75 ; XP1.D5@834.54,3509.55 ccw(c848.53,3523.53) 848.53,3503.75 cw(c848.54,3523.53) XP1.D5@834.55,3509.55 ; XP1.D5@834.55,3490.45 cw(c866.65,3458.35) 866.65,3503.75 ; U1.AJ30@1511.25,3301.74 ccw(c1500.37,3312.62) 1515.76,3312.62 ; 1515.76,3312.56 ccw(c1531.07,3312.56) U1.AJ30@1520.24,3301.74 ; XP1.D5@827.48,3497.53 cw(c842.51,3482.49) 842.51,3503.75 ccw(c842.5,3482.49) XP1.D5@827.47,3497.53 ; XP1.D5@831.01,3493.99 cw(c854.58,3470.42) 854.58,3503.75 ccw(c854.57,3470.42) XP1.D5@831.01,3493.99
XP1D_6: U1.AJ29 XP1.D6 | length 961.3
  Bottom Layer w5: XP1.D6@825,3450 910.24,3450 1013.78,3346.46 1397.64,3346.46 1466.54,3277.56 1496.06,3277.56 U1.AJ29@1515.75,3257.87 ; XP1.D6@834.54,3440.45 cw(c857.59,3417.41) 857.59,3450 ; XP1.D6@834.54,3459.55 ccw(c857.59,3482.59) 857.59,3450 ; XP1.D6@834.55,3440.45 cw(c857.6,3417.41) 857.6,3450 ; XP1.D6@834.55,3459.55 ccw(c857.6,3482.59) 857.6,3450 ; U1.AJ29@1509.39,3257.87 ccw(c1494.04,3257.87) 1504.89,3268.73 ccw(c1515.75,3279.58) U1.AJ29@1515.75,3264.23 ; 845.52,3450 ccw(c845.52,3429.48) 831.01,3443.99 cw(c845.52,3429.48) 845.52,3450 ; 845.52,3450 cw(c845.52,3470.52) 831.01,3456.01 ccw(c845.52,3470.52) 845.52,3450
XP1D_7: U1.AK29 XP1.D7 | length 899.3
  Bottom Layer w5: XP1.D7@825,3400 911.02,3400 1013.78,3297.24 1397.64,3297.24 1437.01,3257.87 ; XP1.D7@834.54,3390.45 cw(c857.59,3367.41) 857.59,3400 ; XP1.D7@834.54,3409.55 ccw(c857.59,3432.59) 857.59,3400 ; XP1.D7@834.55,3390.45 cw(c857.6,3367.41) 857.6,3400 ; XP1.D7@834.55,3409.55 ccw(c857.6,3432.59) 857.6,3400 ; 845.52,3400 ccw(c845.52,3379.48) 831.01,3393.99 cw(c845.52,3379.48) 845.52,3400 ; 845.52,3400 cw(c845.52,3420.52) 831.01,3406.01 ccw(c845.52,3420.52) 845.52,3400
  Bottom Layer w6: 1437.01,3257.87 U1.AK29@1476.38,3257.87 ; U1.AK29@1472.24,3253.73 ccw(c1462.24,3243.73) 1462.24,3257.87 ccw(c1462.24,3272.02) U1.AK29@1472.24,3262.02
XP1D_8: U1.AJ28 XP1.D8 | length 936.2
  Bottom Layer w5: XP1.D8@825,3350 909.84,3350 1001.97,3257.87 1397.64,3257.87 1417.32,3238.19 1496.06,3238.19 U1.AJ28@1515.75,3218.5 ; XP1.D8@834.54,3340.45 cw(c857.59,3317.41) 857.59,3350 ; XP1.D8@834.54,3359.55 ccw(c857.59,3382.59) 857.59,3350 ; XP1.D8@834.55,3340.45 cw(c857.6,3317.41) 857.6,3350 ; XP1.D8@834.55,3359.55 ccw(c857.6,3382.59) 857.6,3350 ; U1.AJ28@1509.39,3218.5 ccw(c1494.04,3218.5) 1504.89,3229.36 ccw(c1515.75,3240.21) U1.AJ28@1515.75,3224.86 ; 845.52,3350 ccw(c845.52,3329.48) 831.01,3343.99 cw(c845.52,3329.48) 845.52,3350 ; 845.52,3350 cw(c845.52,3370.52) 831.01,3356.01 ccw(c845.52,3370.52) 845.52,3350
XP1D_9: U1.AK28 XP1.D9 | length 880.8
  Bottom Layer w5: XP1.D9@825,3300 902.76,3300 994.09,3208.66 1466.54,3208.66 ; XP1.D9@834.54,3290.45 cw(c857.59,3267.41) 857.59,3300 ; XP1.D9@834.54,3309.55 ccw(c857.59,3332.59) 857.59,3300 ; XP1.D9@834.55,3290.45 cw(c857.6,3267.41) 857.6,3300 ; XP1.D9@834.55,3309.55 ccw(c857.6,3332.59) 857.6,3300 ; U1.AK28@1470.04,3218.05 cw(c1458.01,3217.19) 1466.54,3208.66 ; U1.AK28@1475.92,3212.16 ccw(c1475.06,3200.14) 1466.54,3208.66 ; U1.AK28@1476.38,3218.5 1466.54,3208.66 ; 845.52,3300 ccw(c845.52,3279.48) 831.01,3293.99 cw(c845.52,3279.48) 845.52,3300 ; 845.52,3300 cw(c845.52,3320.52) 831.01,3306.01 ccw(c845.52,3320.52) 845.52,3300
XP1D_10: U1.AK27 XP1.D10 | length 871.7
  Bottom Layer w5: XP1.D10@825,3250 893.7,3250 964.57,3179.13 U1.AK27@1476.38,3179.13 ; XP1.D10@834.54,3240.45 cw(c857.59,3217.41) 857.59,3250 ; XP1.D10@834.54,3259.55 ccw(c857.59,3282.59) 857.59,3250 ; XP1.D10@834.55,3240.45 cw(c857.6,3217.41) 857.6,3250 ; XP1.D10@834.55,3259.55 ccw(c857.6,3282.59) 857.6,3250 ; U1.AK27@1471.88,3174.64 ccw(c1461.03,3163.78) 1461.03,3179.13 ccw(c1461.03,3194.48) U1.AK27@1471.88,3183.63 ; 845.52,3250 ccw(c845.52,3229.48) 831.01,3243.99 cw(c845.52,3229.48) 845.52,3250 ; 845.52,3250 cw(c845.52,3270.52) 831.01,3256.01 ccw(c845.52,3270.52) 845.52,3250
XP1D_11: U1.AF21 XP1.D11 | length 1083
  Mid-Layer 1 w5: XP1.D11@825,3198.82 986.2,3198.82 1204.52,2980.5 1226.58,2980.5 1228.18,2982.1 1593.56,2982.1 1613.06,2962.6 v1(1614.18,2962.6) ; XP1.D11@834.54,3190.45 cw(c854.74,3170.26) 854.74,3198.82 ccw(c854.74,3170.26) XP1.D11@834.55,3190.45 ; XP1.D11@834.54,3209.55 ccw(c860.44,3235.44) 860.44,3198.82 cw(c860.45,3235.44) XP1.D11@834.55,3209.55 ; XP1.D11@831.01,3193.99 cw(c842.67,3182.33) 842.67,3198.82 ccw(c842.66,3182.33) XP1.D11@831.01,3193.99 ; XP1.D11@831.01,3206.01 ccw(c848.38,3223.37) 848.38,3198.82 cw(c848.37,3223.37) XP1.D11@831.01,3206.01
  Bottom Layer w6: v1(1614.18,2962.6) U1.AF21@1633.86,2942.91